# Altium PCB ESC.PcbDoc (part 1 of 3)
Units mm, origin at the board's own origin, x right, y up, seen from the top; angles counter-clockwise.
Board outline 85 x 45 mm, 4 copper layers (L1-SIGNAL/PWR, L2-PWR, L3-GND, L4-SIGNAL/PWR), stack 1.571 mm thick; 139 components, 88 nets, 499 pads, 911 vias.
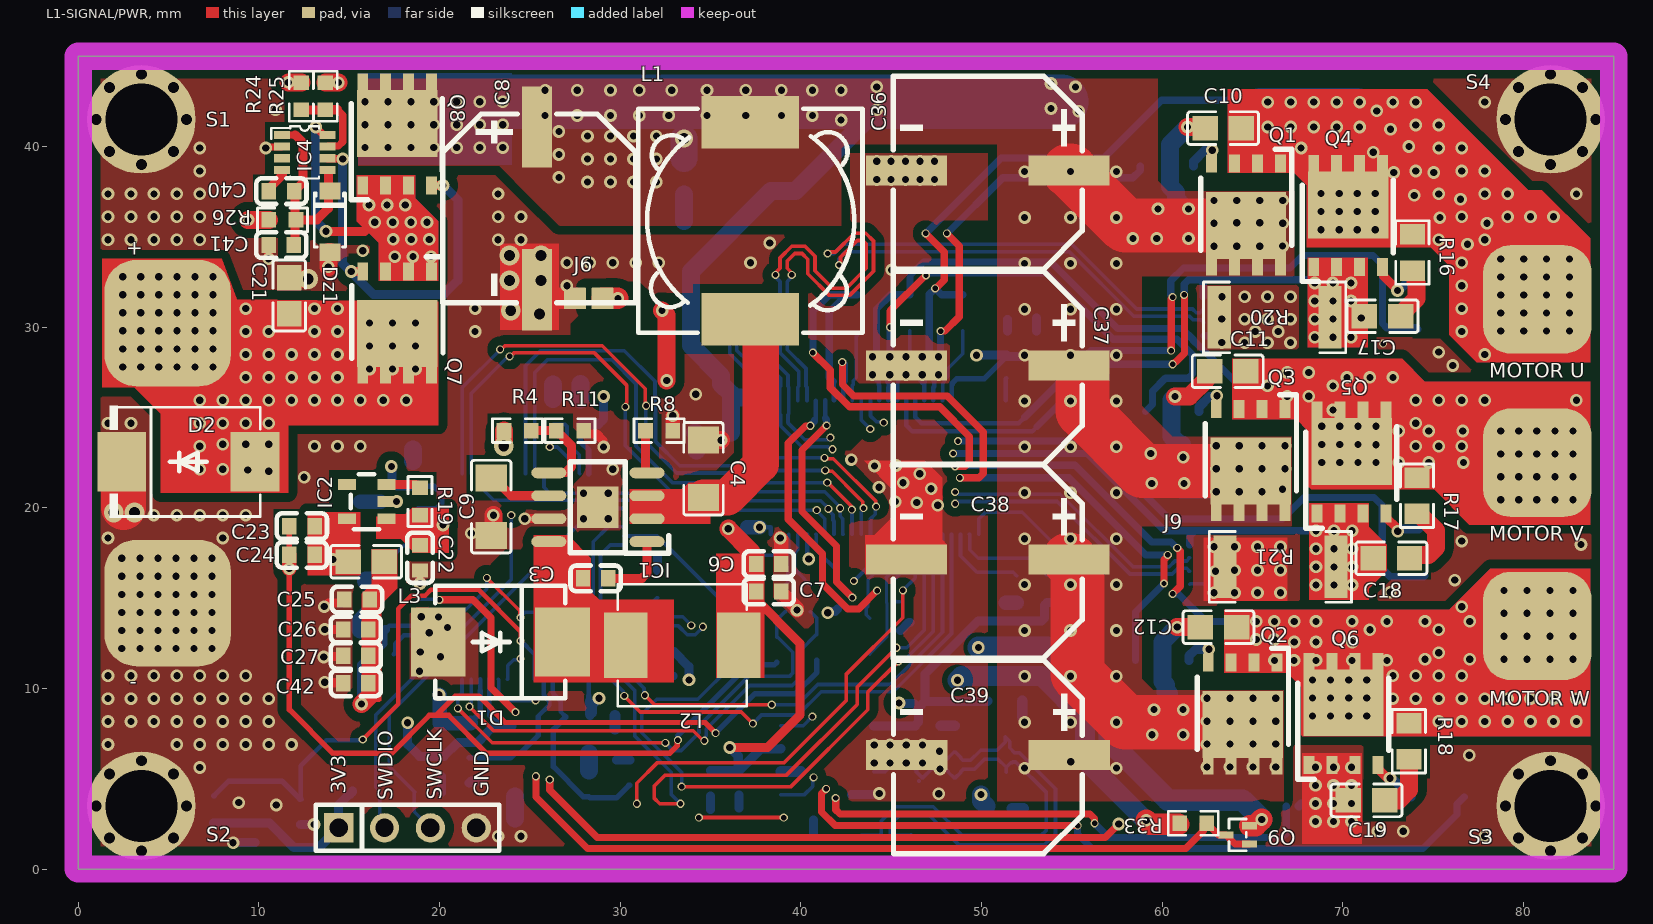
[diagram p0: L1-SIGNAL/PWR view]
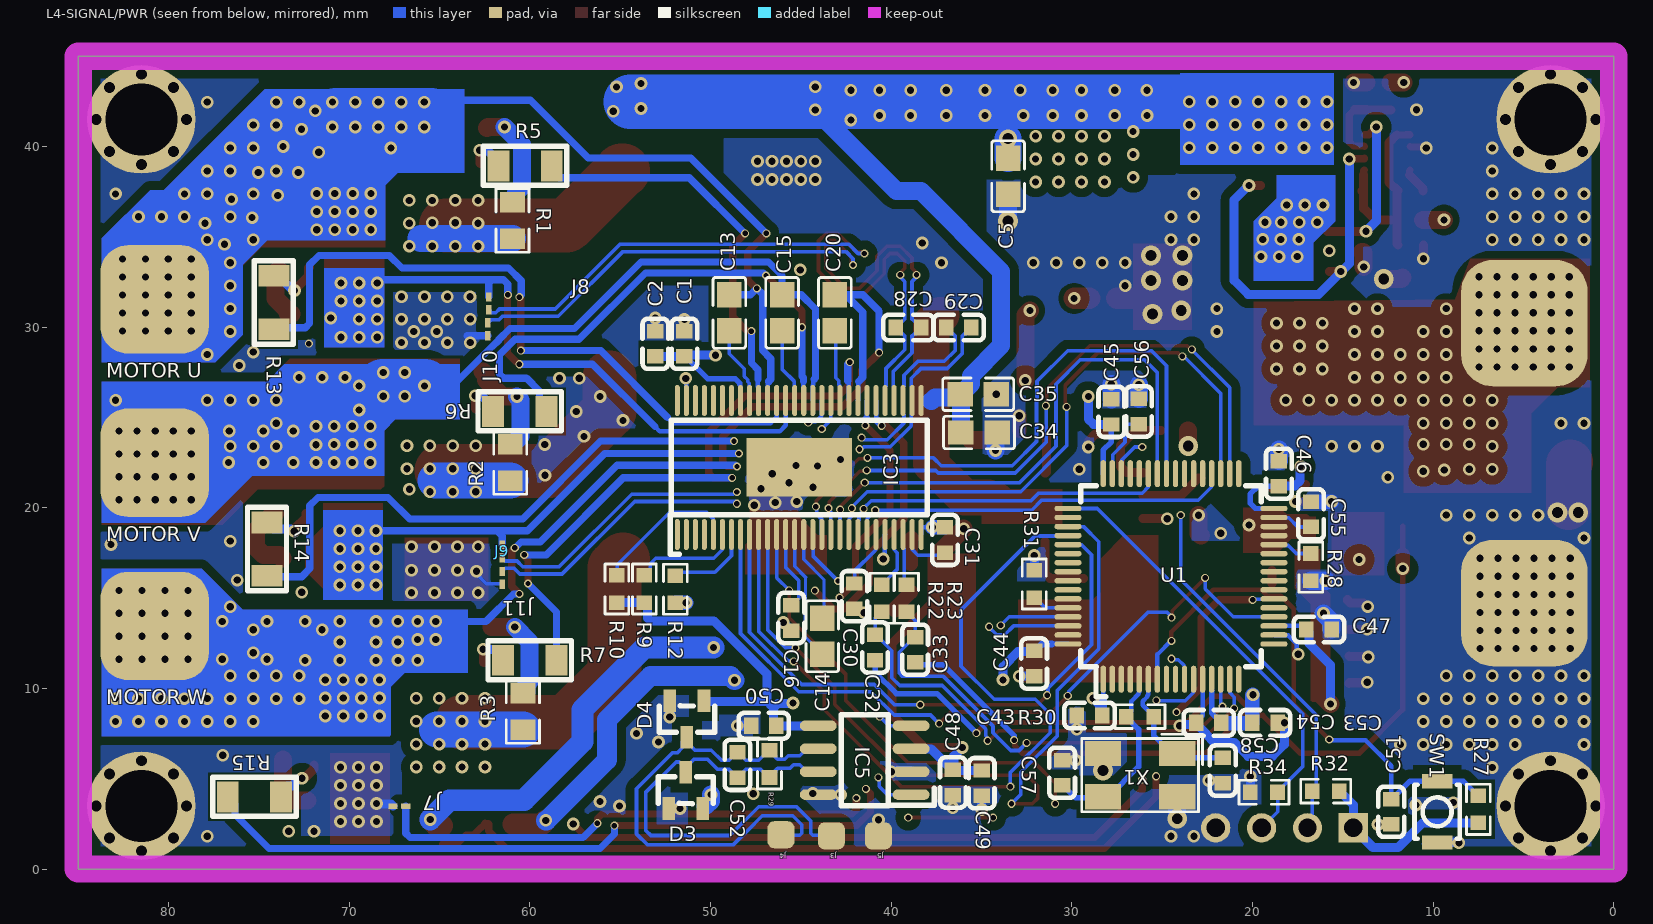
[diagram p1: L4-SIGNAL/PWR view, seen from below]
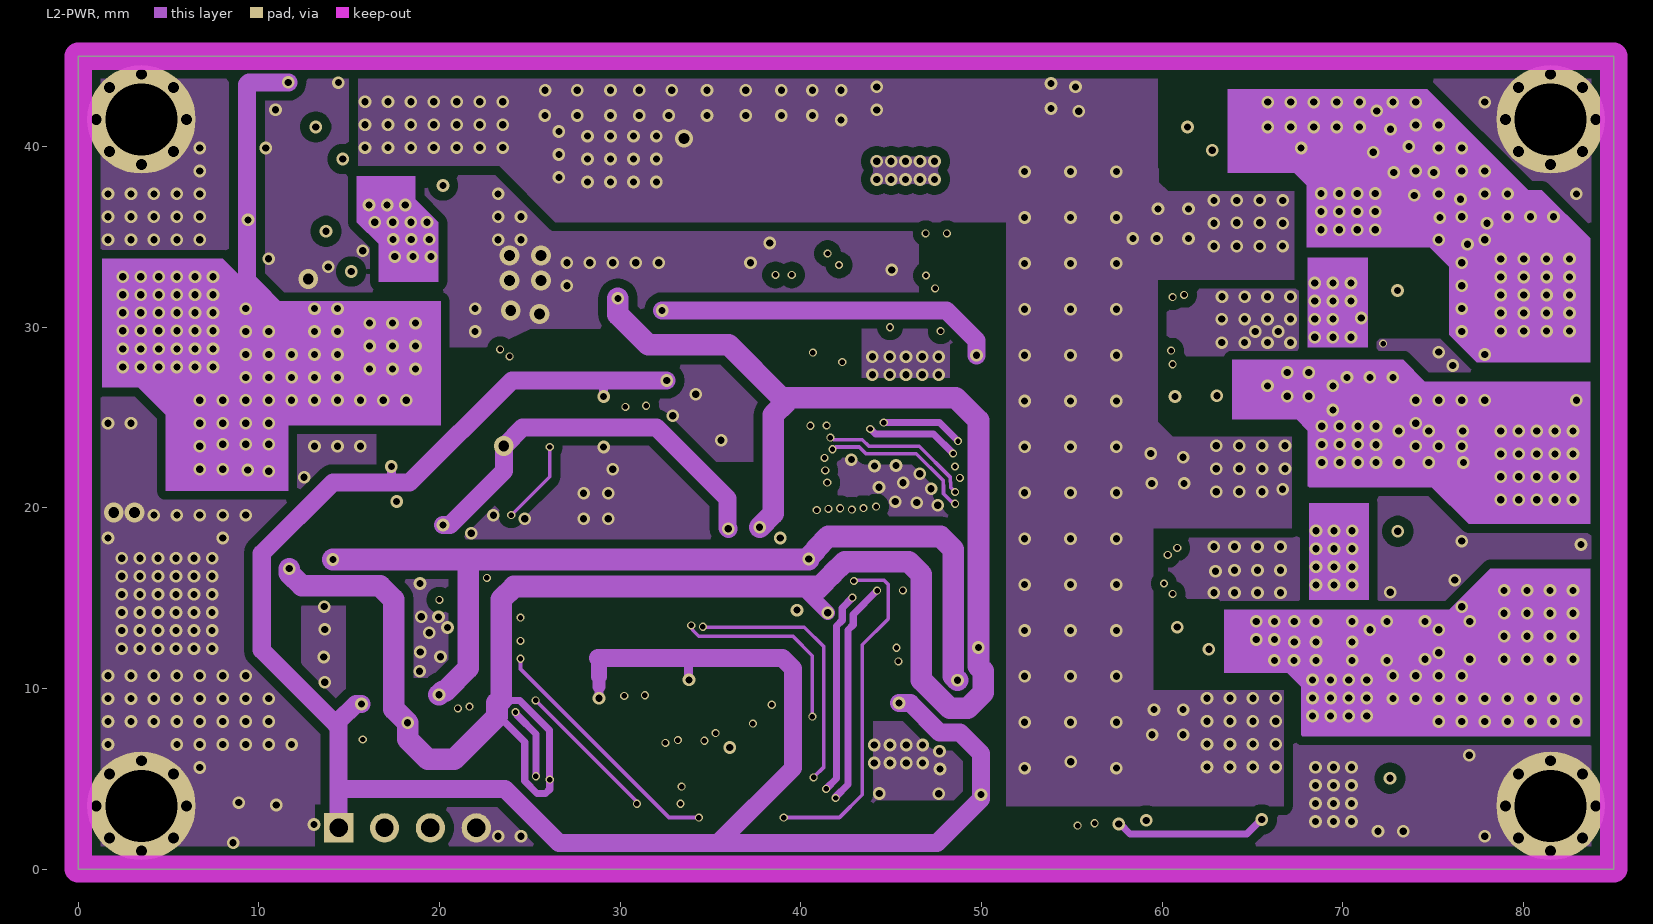
[diagram p2: L2-PWR]
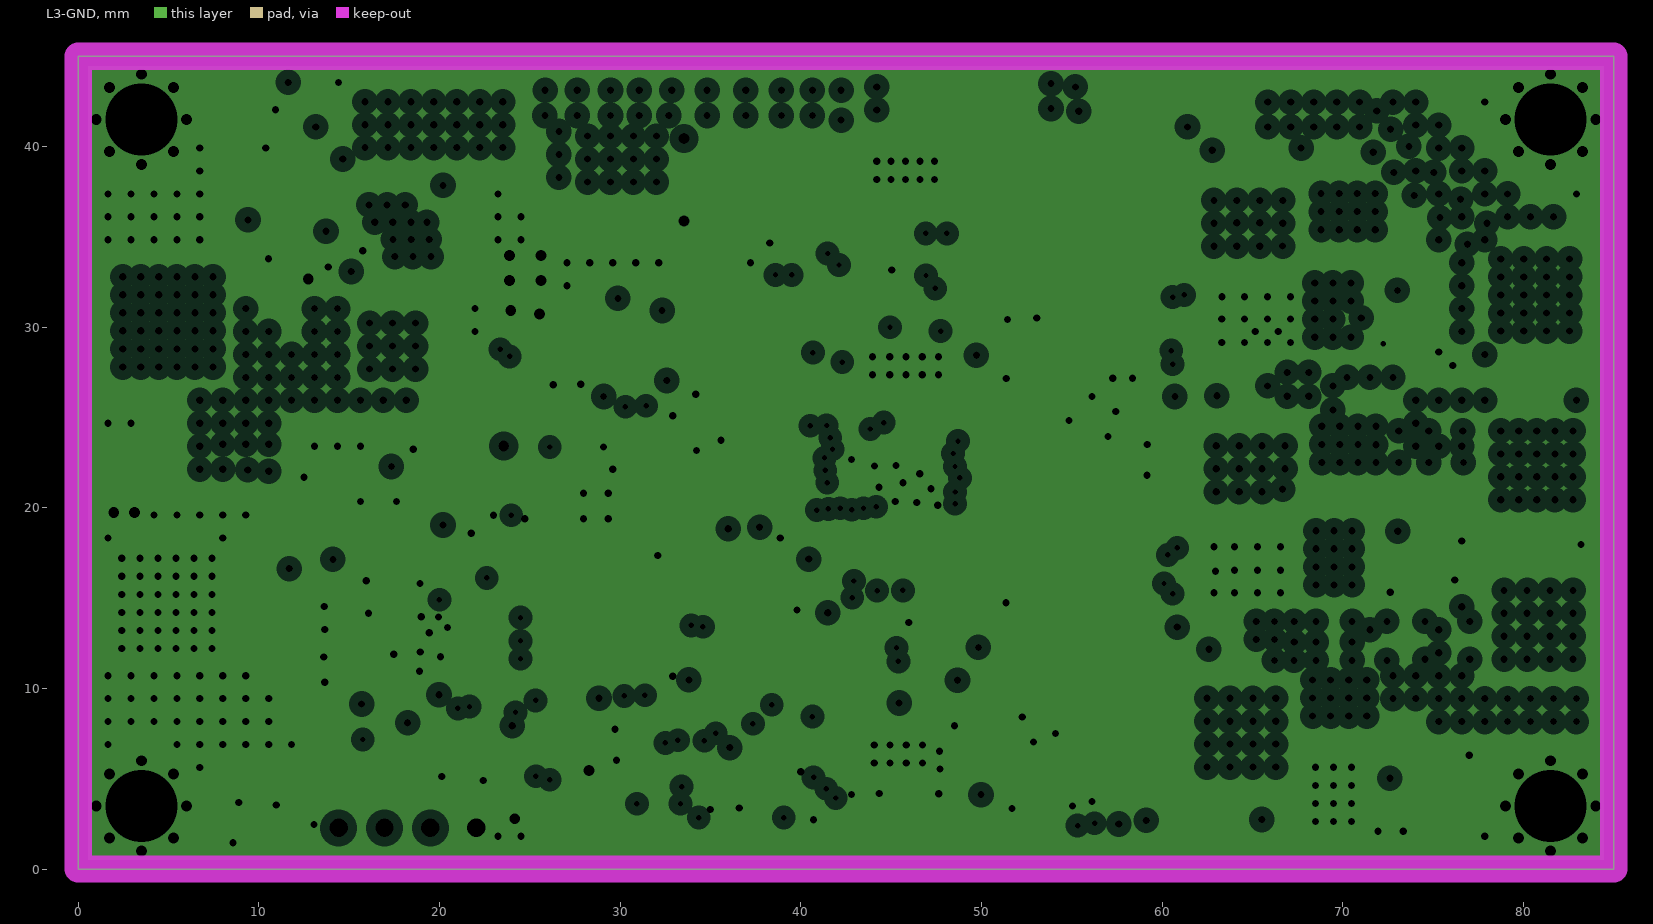
[diagram p3: L3-GND, clearances drawn from the general rule]
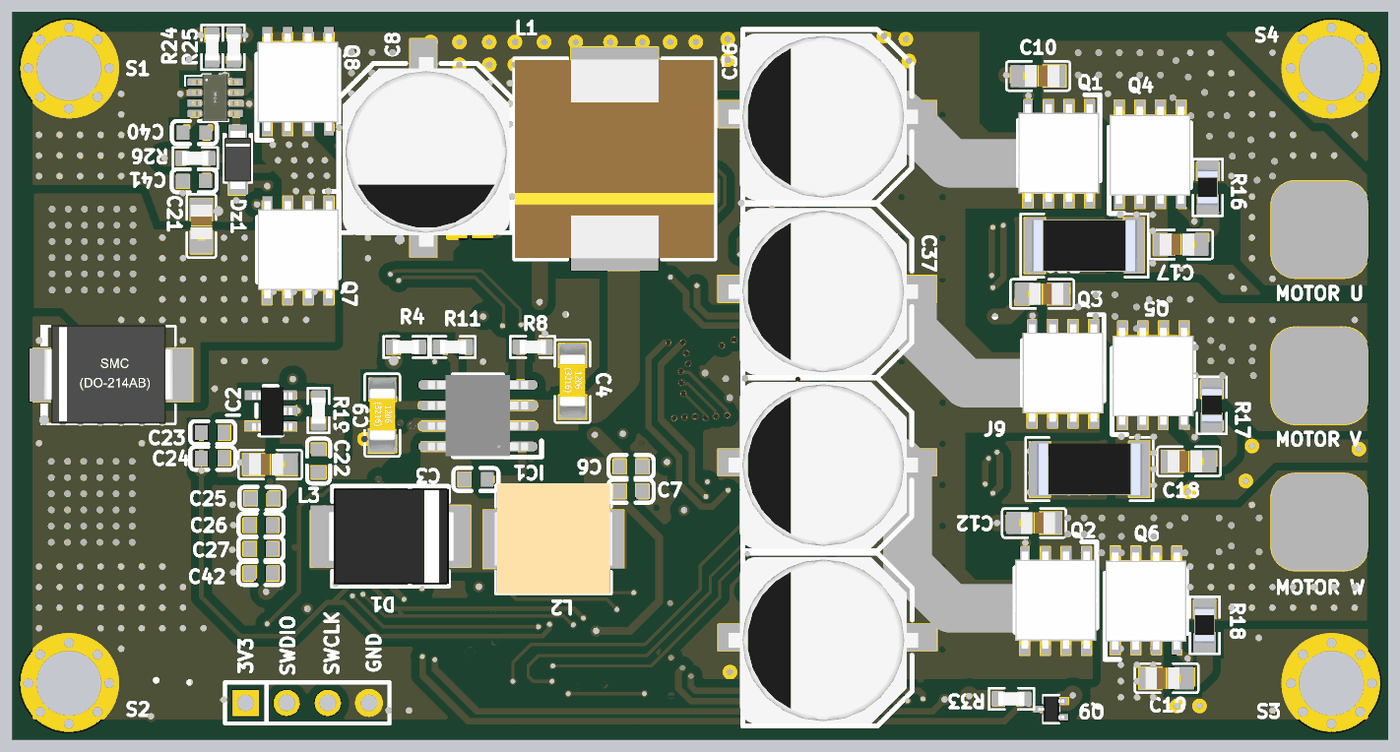
[diagram p6: 3D render of the assembled board from above, using the file's embedded part models]
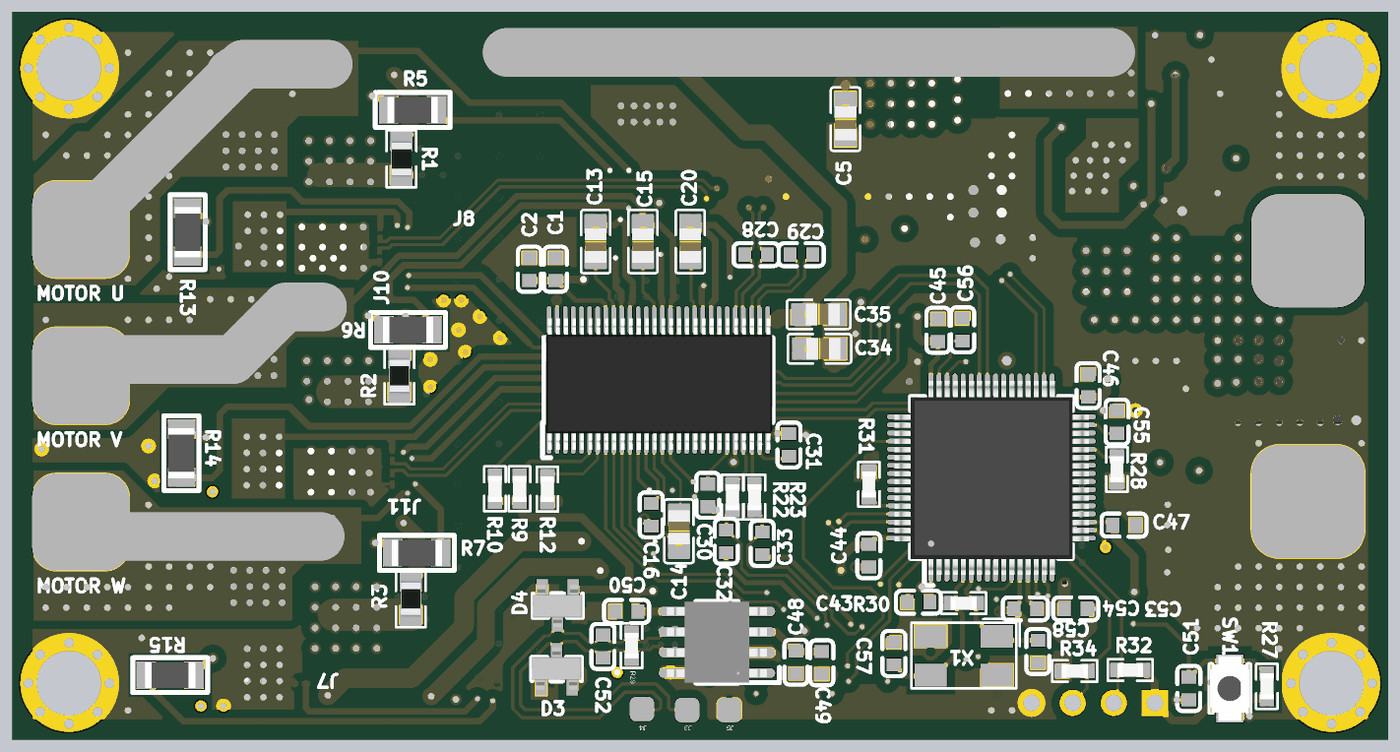
[diagram p7: 3D render of the assembled board from below, using the file's embedded part models]

## Layer stack, top to bottom
Top Solder: solder mask 0.0102, Solder Resist, Dk 3.5
L1-SIGNAL/PWR: signal copper 0.035
Dielectric 2: prepreg 0.107, 3313, Dk 4.5
Dielectric 4: prepreg 0.0935, 2116, Dk 4.1
L2-PWR: signal copper 0.07
Dielectric 1: core 0.96, Core-042, Dk 4.6
L3-GND: plane copper 0.07, net GND
Dielectric 3: prepreg 0.107, 3313, Dk 4.5
Dielectric 5: prepreg 0.0935, 2116, Dk 4.1
L4-SIGNAL/PWR: signal copper 0.035
Bottom Solder: solder mask 0.0102, Solder Resist, Dk 3.5

## Board outline
0,0 85,0 85,45 0,45

## Design rules (kind name [scope] priority, off if disabled: settings)
Clearance "Stitching POWER_IN" [IsStitchingVia and InNet('POWER_IN') vs (IsVia and (Not IsStitchingVia)) Or IsPad] p1: gap=0.127 ignorepadtopadclearanceinfootprint=FALSE
Clearance [All] p2: gap=0.2 ignorepadtopadclearanceinfootprint=TRUE except(0.5: Arc-Fill Arc-Poly Arc-Region Track-Fill Track-Poly Track-Region SMDPad-Fill SMDPad-Poly SMDPad-Region THPad-Fill THPad-Poly THPad-Region Via-Fill Via-Poly Via-Region Fill-Fill Fill-Poly Fill-Region Poly-Poly Poly-Region Region-Region)
ComponentClearance Ignore_Top_Bottom_Collision [OnTop vs OnBottom] p1: gap=0.254 collisioncheckmode=3 verticalgap=-2 showdistances=FALSE
ComponentClearance [All] p2: gap=0.254 collisioncheckmode=3 verticalgap=0.254 showdistances=FALSE
DiffPairsRouting DiffPair_S2DiffPairsRouting [InDifferentialPair ('S2')] p1: maxlimit=0.4 minlimit=0.17 mostfreqgap=0.2 toplayer_minwidth=0.17 toplayer_maxwidth=0.2 toplayer_prefwidth=0.2 midlayer1_minwidth=0.17 midlayer1_maxwidth=0.2 midlayer1_prefwidth=0.2 bottomlayer_minwidth=0.17 bottomlayer_maxwidth=0.2 bottomlayer_prefwidth=0.2 maxuncoupledlength=12.7
DiffPairsRouting DiffPair_S1DiffPairsRouting [InDifferentialPair ('S1')] p2: maxlimit=0.4 minlimit=0.17 mostfreqgap=0.2 toplayer_minwidth=0.17 toplayer_maxwidth=0.2 toplayer_prefwidth=0.2 midlayer1_minwidth=0.17 midlayer1_maxwidth=0.2 midlayer1_prefwidth=0.2 bottomlayer_minwidth=0.17 bottomlayer_maxwidth=0.2 bottomlayer_prefwidth=0.2 maxuncoupledlength=12.7
DiffPairsRouting DiffPairsRouting_1 [InDifferentialPair ('S1')] p3: maxlimit=0.254 minlimit=0.254 mostfreqgap=0.254 toplayer_minwidth=0.381 toplayer_maxwidth=0.381 toplayer_prefwidth=0.381 midlayer1_minwidth=0.381 midlayer1_maxwidth=0.381 midlayer1_prefwidth=0.381 bottomlayer_minwidth=0.381 bottomlayer_maxwidth=0.381 bottomlayer_prefwidth=0.381 maxuncoupledlength=12.7
DiffPairsRouting DiffPair_DIFFDiffPairsRouting [InDifferentialPair ('CAN')] p4: maxlimit=0.4 minlimit=0.3 mostfreqgap=0.3 toplayer_minwidth=0.2 toplayer_maxwidth=0.4 toplayer_prefwidth=0.2 midlayer1_minwidth=0.2 midlayer1_maxwidth=0.4 midlayer1_prefwidth=0.2 bottomlayer_minwidth=0.2 bottomlayer_maxwidth=0.4 bottomlayer_prefwidth=0.2 maxuncoupledlength=12.7
DiffPairsRouting [All] p5: maxlimit=0.254 minlimit=0.254 mostfreqgap=0.254 toplayer_minwidth=0.381 toplayer_maxwidth=0.381 toplayer_prefwidth=0.381 midlayer1_minwidth=0.381 midlayer1_maxwidth=0.381 midlayer1_prefwidth=0.381 bottomlayer_minwidth=0.381 bottomlayer_maxwidth=0.381 bottomlayer_prefwidth=0.381 maxuncoupledlength=12.7
HoleSize [All] p1: absolutevalues=TRUE maxlimit=5 minlimit=0.025 maxpercent=80.000 minpercent=20.000
HoleToHoleClearance [All] p1: gap=0.2 allowstackedmicrovias=TRUE
MatchedLengths DiffPair_S2MatchedLengths [InDifferentialPair ('S2')] p1: tolerance=10 checknetsindiffpair=TRUE checkdiffpairvsdiffpair=FALSE checkxsignals=FALSE checkothers=FALSE
MatchedLengths DiffPair_S1MatchedLengths [InDifferentialPair ('S1')] p2: tolerance=10 checknetsindiffpair=TRUE checkdiffpairvsdiffpair=FALSE checkxsignals=FALSE checkothers=FALSE
MatchedLengths [InDifferentialPair ('S1')] p3: tolerance=25.4 checknetsindiffpair=FALSE checkdiffpairvsdiffpair=TRUE checkxsignals=TRUE checkothers=TRUE
MatchedLengths DiffPair_DIFFMatchedLengths [InDifferentialPair ('CAN')] p4: tolerance=5 checknetsindiffpair=TRUE checkdiffpairvsdiffpair=FALSE checkxsignals=FALSE checkothers=FALSE
MinimumSolderMaskSliver [All] p1: minsoldermaskwidth=0.1
PlaneClearance [All] p1: clearance=0.508
PlaneConnect [All] p1: pad.planeconnectstyle=Relief pad.reliefexpansion=1 pad.reliefentries=4 pad.reliefconductorwidth=1 pad.reliefairgap=1 via.planeconnectstyle=Direct via.reliefexpansion=1 via.reliefentries=4 via.reliefconductorwidth=1 via.reliefairgap=1
PolygonConnect [All] p1: connectstyle=Direct reliefconductorwidth=0.254 reliefentries=4 polygonreliefangle="90 Angle" airgapwidth=0.254
RoutingVias [All] p1: holewidth=0.4 width=0.7 viastyle="Through Hole" minholewidth=0.2 minwidth=0.4 maxholewidth=0.7 maxwidth=1.1
SilkToSilkClearance [All] p1: silktosilkclearance=0
SilkToSolderMaskClearance [IsPad] p1: minsilkscreentomaskgap=0.1 clearancetoexposedcopper=TRUE
SolderMaskExpansion [All] p1: expansion=0.102 istentingtop=FALSE
SupplyNets "Schematic Supply Nets" [InNet('GND')] p1: voltage=0.000
SupplyNets "Schematic Supply Nets_8" [InNet('AGND')] p2: voltage=0.000
SupplyNets "Schematic Supply Nets_7" [InNet('POWER_LOAD')] p3: voltage=0.000
SupplyNets "Schematic Supply Nets_6" [InNet('V_5V')] p4: voltage=0.000
SupplyNets "Schematic Supply Nets_5" [InNet('VDD_SPI')] p5: voltage=0.000
SupplyNets "Schematic Supply Nets_4" [InNet('POWER_BUCK')] p6: voltage=0.000
SupplyNets "Schematic Supply Nets_3" [InNet('POWER_IN')] p7: voltage=0.000
SupplyNets "Schematic Supply Nets_1" [InNet('A3V3')] p8: voltage=0.000
UnRoutedNet [All] p1: checkbadconnections=TRUE
Width Width_power [InNetClass('POWER')] p1: maxlimit=14 minlimit=0.2 preferedwidth=5
Width Width_signal [All] p2: maxlimit=1.5 minlimit=0.17 preferedwidth=0.3 minimp=50.000000 maximp=50.000000 favimp=50.000000
20 further rules are at their usual default settings.

## Classes and differential pairs
net class POWER: A3V3 AGND AH AL BH CH CL GH_A GH_B GH_C GL_A GL_B GL_C GND POWER_BUCK POWER_IN POWER_LOAD SH_A SH_B SH_C SL_A SL_B SL_C V_5V VDD_SPI
differential pair class DIFF: CAN S1 S2
net class TIME1: AH AL BH BL CH CL EN_GATE
net class SPI3: GND NetIC3_7 nSCS SCLK SDI SDO
net class CSAI: S1_N S1_P S2_N S2_P
component class ESC: C1 C2 C3 C4 C5 C6 C7 C8 C9 C10 C11 C12 C13 C14 C15 C16 C17 C18 C19 C20 C21 C22 C23 C24 C25 C26 C27 C28 C29 C30 C31 C32 C33 C34 C35 C36 C37 C38 C39 C40 C41 C42 C43 C44 C45 C46 C47 C48 C49 C50 C51 C52 C53 C54 C55 C56 C57 C58 D1 D2 D3 D4 Dz1 IC1 IC2 IC3 IC4 IC5 J3 J4 J5 J6 J7 J8 J9 J10 J11 L1 L2 L3 Q1 Q2 Q3 Q4 Q5 Q6 Q7 Q8 Q9 R1 R2 R3 R4 R5 R6 R7 R8 R9 R10 R11 R12 R13 R14 R15 R16 R17 R18 R19 R20 R21 R22 R23 R24 R25 R26 R27 R28 R29 R30 R31 R32 R33 R34 S1 S2 S3 S4 SW1 U1 X1
differential pair S2: +S2_P -S2_N
differential pair S1: +S1_P -S1_N
differential pair CAN: +CAN_P -CAN_N

## Components (designator, comment, footprint, x,y, rotation, side; value= is the part's Value field where it differs from the comment)
3V3 "4PIN" HDR-TH_4P-HX-PH254-01-04-Z-L11.5 18.224,2.286 r0 top (schematic designator CN1)
+ "PAD" PAD#1 -21.59,37.846 r0 top (schematic designator J1)
- "PAD" PAD#2 -32.766,20.32 r0 top (schematic designator J2)
C1 "100nF" C0603 51.446,29.083 r270 bottom
C2 "10uF" C0603 53.054,29.083 r270 bottom
C3 "100nF" C0603 28.641,16.097 r0 top
C4 "10uF" C1206 34.608,22.162 r90 top
C5 "100nF" C0805#1 33.528,38.354 r90 bottom
C6 "47uF" C0603 38.227,16.891 r180 top
C7 "47uF" C0603 38.227,15.367 r180 top
C8 "100uF" CAP-SMD_BD10.0-L10.3-W10.3-FD 25.4,36.576 r270 top
C9 "16nF" C1206 22.86,20.066 r90 top
C10 "10nF" C0805#2 63.373,41.021 r180 top
C11 "10nF" C0805#2 63.627,27.559 r180 top
C12 "10nF" C0805#2 63.119,13.399 r180 top
C13 "100nF" C0805#1 48.959,30.794 r90 bottom
C14 "220nF" C0805#1 43.815,12.89 r270 bottom
C15 "100nF" C0805#1 46.038,30.794 r90 bottom
C16 "2.2uF" C0603 45.529,13.906 r90 bottom
C17 "10nF" C0805#2 72.2,30.607 r0 top
C18 "10nF" C0805#2 72.692,17.209 r0 top
C19 "10nF" C0805#2 71.31,3.81 r0 top
C20 "100nF" C0805#1 43.116,30.794 r90 bottom
C21 "100nF" C0805#2 11.684,31.75 r270 top
C22 "10uF" C0603 18.92,17.232 r90 top
C23 "10uF" C0603 12.383,18.986 r0 top
C24 "100nF" C0603 12.383,17.399 r0 top
C25 "10uF" C0603 15.43,14.922 r0 top
C26 "1uF" C0603 15.367,13.271 r0 top
C27 "100nF" C0603 15.367,11.811 r0 top
C28 "1nF" C0603 39.047,29.978 r0 bottom
C29 "1nF" C0603 36.26,29.978 r0 bottom
C30 "1uF" C0603 42.037,15.113 r90 bottom
C31 "1uF" C0603 37.02,18.224 r90 bottom
C32 "2.2uF" C0603 40.891,12.272 r90 bottom
C33 "2.2uF" C0603 38.669,12.145 r90 bottom
C34 "100nF" C0805#1 35.138,24.168 r0 bottom
C35 "4.7uF" C0805#1 35.183,26.289 r0 bottom
C36 "100uF" CAP-SMD_BD10.0-L10.3-W10.3-FD 50.347,38.672 r180 top
C37 "100uF" CAP-SMD_BD10.0-L10.3-W10.3-FD 50.347,27.877 r180 top
C38 "100uF" CAP-SMD_BD10.0-L10.3-W10.3-FD 50.347,17.145 r180 top
C39 "100uF" CAP-SMD_BD10.0-L10.3-W10.3-FD 50.357,6.322 r180 top
C40 "220nF" C0603 11.248,37.529 r0 top
C41 "1uF" C0603 11.239,34.544 r0 top
C42 "10uF" C0603 15.367,10.287 r0 top
C43 "1uF" C0603 29.019,8.509 r180 bottom
C44 "100nF" C0603 32.085,11.383 r90 bottom
C45 "100nF" C0603 27.812,25.312 r270 bottom
C46 "100nF" C0603 18.542,21.891 r270 bottom
C47 "100nF" C0603 16.319,13.271 r0 bottom
C48 "10uF" C0603 36.586,4.801 r90 bottom
C49 "100nF" C0603 34.989,4.763 r90 bottom
C50 "100nF" C0603 47.053,7.938 r180 bottom
C51 "100nF" C0603 12.319,3.175 r270 bottom
C52 "100pF" C0603 48.511,5.771 r270 bottom
C53 "1uF" C0603 19.304,8.099 r0 bottom
C54 "100nF" C0603 22.417,8.099 r180 bottom
C55 "2.2uF" C0603 16.757,19.643 r270 bottom
C56 "2.2uF" C0603 26.289,25.336 r270 bottom
C57 "18pF" C0603 30.535,5.334 r270 bottom
C58 "18pF" C0603 21.645,5.461 r270 bottom
D1 "DIODE SCHOTTKY 100V DO-214AB" SMC_L7.1-W6.2-LS8.1-RD 23.368,12.573 r180 top
D2 "93.6V 1.5kW@10/1000us Unidirectional 58V SMC TVS Diodes RoHS" SMC_L6.9-W5.9-LS7.9-RD 6.096,22.543 r0 top
D3 "DIODE ARR SCHOTTKY 30V SOT-23" SOT-23-3_L2.9-W1.3-P1.90-LS2.4-BR 51.37,4.36 r180 bottom
D4 "DIODE ARR SCHOTTKY 30V SOT-23" SOT-23-3_L2.9-W1.3-P1.90-LS2.4-BR 51.309,8.313 r0 bottom
Dz1 "DIODE ZENER 56V 500mW SOD-123W" SOD-123_L2.8-W1.8-LS3.7-RD 13.932,35.844 r270 top
IC1 "60V 3A Step-Down Converter" SOIC-8_L4.9-W3.9-P1.27-LS6.0-BL-EP2.3 28.768,20.034 r90 top
IC2 "500mA Low-Noise LDo Voltage Regulator" SOT-23-5_L2.9-W1.6-P0.95-LS2.8-BR 15.967,20.349 r90 top
IC3 "DRV8301 Three-Phase Gate Driver With Dual Current Shunt Amplifiers and Buck Regulator" HTSSOP-56_L14.0-W6.0-P0.50-LS8.1-BL-EP 45.089,22.236 r180 bottom
IC4 "TSOT-23-8 OR Controllers, Ideal Diodes RoHS" SOT-23-8_L2.9-W1.6-P0.65-LS2.8-BL 12.535,39.674 r270 top
IC5 "High-speed CAN transceiver" SOIC-8_L4.9-W3.9-P1.27-LS6.0-BL 41.465,6.032 r90 bottom
J3 "PAD" PAD#3 43.307,1.841 r180 bottom
J4 "PAD" PAD#3 46.101,1.905 r180 bottom
J5 "PAD" PAD#3 40.703,1.841 r180 bottom
J6 "2 way net tie junction" 2way_MP 28.258,31.594 r0 top net-tie
J7 "2 way net tie junction" 2way_LP 67.221,3.492 r0 bottom net-tie
J8 "2 way net tie junction" 2way_LP 62.275,31.317 r90 bottom net-tie
J9 "2 way net tie junction" 2way_LP 61.531,17.59 r90 bottom net-tie
J10 "2 way net tie junction" 2way_LP 62.323,29.887 r270 bottom net-tie
J11 "2 way net tie junction" 2way_LP 61.531,16.129 r270 bottom net-tie
L1 "47uH" IND-SMD_L12.3-W12.3 37.211,35.9 r270 top
L2 "8.2uH" IND-SMD_L7.0-W6.6_FXL0630 34.544,13.462 r180 top
L3 "220Ω" C0805#2 15.938,17.018 r0 top
"MOTOR U" "PAD" PAD#4 80.772,33.782 r90 bottom
"MOTOR U" "PAD" PAD#4 80.772,33.782 r90 top (schematic designator MOTOR_U1)
"MOTOR V" "PAD" PAD#4 80.772,24.744 r90 bottom
"MOTOR V" "PAD" PAD#5 80.772,22.5 r90 top (schematic designator MOTOR_V1)
"MOTOR W" "PAD" PAD#4 80.772,15.706 r90 bottom
"MOTOR W" "PAD" PAD#5 80.772,13.462 r90 top (schematic designator MOTOR_W1)
Q1 "MOSFET N-CH 80V 100A SOP-8-Advance" SOP-8_L5.0-W5.0-P1.27-LS6.0_TPH4R008NH-L1Q 64.643,36.258 r180 top
Q2 "MOSFET N-CH 80V 100A SOP-8-Advance" SOP-8_L5.0-W5.0-P1.27-LS6.0_TPH4R008NH-L1Q 64.453,8.636 r180 top
Q3 "MOSFET N-CH 80V 100A SOP-8-Advance" SOP-8_L5.0-W5.0-P1.27-LS6.0_TPH4R008NH-L1Q 64.897,22.669 r180 top
Q4 "MOSFET N-CH 80V 100A SOP-8-Advance" SOP-8_L5.0-W5.0-P1.27-LS6.0_TPH4R008NH-L1Q 70.294,36.131 r0 top
Q5 "MOSFET N-CH 80V 100A SOP-8-Advance" SOP-8_L5.0-W5.0-P1.27-LS6.0_TPH4R008NH-L1Q 70.485,22.479 r0 top
Q6 "MOSFET N-CH 80V 100A SOP-8-Advance" SOP-8_L5.0-W5.0-P1.27-LS6.0_TPH4R008NH-L1Q 70.04,8.572 r0 top
Q7 "MOSFET N-CH 80V 100A SOP-8-Advance" SOP-8_L5.0-W5.0-P1.27-LS6.0_TPH4R008NH-L1Q 17.653,30.29 r180 top
Q8 "MOSFET N-CH 80V 100A SOP-8-Advance" SOP-8_L5.0-W5.0-P1.27-LS6.0_TPH4R008NH-L1Q 17.653,40.646 r0 top
Q9 "TRANS NPN 40V 200mA SOT-416" SC-75-3_L1.6-W0.8-P1.00-LS1.6-BR 64.184,1.897 r90 top
R1 "10Ω" R0805 60.96,36.195 r270 bottom
R2 "10Ω" R0805 61.087,22.796 r270 bottom
R3 "10Ω" R0805 60.389,9.017 r270 bottom
R4 "100kΩ" R0603 24.32,24.272 r180 top
R5 "8.06Ω" R1206 60.262,38.925 r0 bottom
R6 "8.06Ω" R1206 60.561,25.336 r0 bottom
R7 "8.06Ω" R1206 60.008,11.557 r0 bottom
R8 "49.9kΩ" R0603 32.156,24.277 r180 top
R9 "10kΩ" R0603 53.658,15.509 r270 bottom
R10 "10kΩ" R0603 55.182,15.509 r90 bottom
R11 "17.8kΩ" R0603 27.224,24.272 r0 top
R12 "24.9KΩ" R0603 51.943,15.494 r90 bottom
R13 "8.06Ω" R1206 74.168,31.369 r90 bottom
R14 "8.06Ω" R1206 74.549,17.716 r90 bottom
R15 "8.06Ω" R1206 75.248,4 r180 bottom
R16 "10Ω" R0805 73.85,33.846 r90 top
R17 "10Ω" R0805 74.105,20.383 r90 top
R18 "10Ω" R0805 73.66,6.794 r90 top
R19 "10kΩ" R0603 18.92,20.349 r270 top
R20 "3.3mΩ" R2512 66.23,30.543 r0 top
R21 "3.3mΩ" R2512 66.548,16.732 r0 top
R22 "56Ω" R0603 40.513,14.995 r270 bottom
R23 "56Ω" R0603 39.15,14.995 r270 bottom
R24 "100kΩ" R0603 12.345,42.787 r90 top
R25 "2.67kΩ" R0603 13.678,42.787 r270 top
R26 "10kΩ" R0603 11.303,35.941 r180 top
R27 "10kΩ" R0603 7.493,3.311 r270 bottom
R28 "10kΩ" R0603 16.764,16.719 r270 bottom
R29 "120Ω" R0603 46.737,5.826 r270 bottom
R30 "1MΩ" R0603 26.226,8.445 r0 bottom
R31 "10kΩ" R0603 32.078,15.786 r270 bottom
R32 "10kΩ" R0603 15.938,4.318 r180 bottom
R33 "33kΩ" R0603 61.722,2.54 r180 top
R34 "10kΩ" R0603 19.367,4.255 r180 bottom
S1 "Screw" "Screw Hole 4mm" 3.5,41.5 r0 top
S2 "Screw" "Screw Hole 4mm" 3.5,3.5 r0 top
S3 "Screw" "Screw Hole 4mm" 81.5,3.5 r0 top
S4 "Screw" "Screw Hole 4mm" 81.5,41.5 r0 top
SW1 "B3U-1000P" KEY-SMD_B3U-1000PM 9.779,3.175 r270 bottom
U1 "ARM Cortex-M4 32b MCU+FPU, 210DMIPS, up to 1MB Flash/192+4KB RAM, USB OTG HS/FS, Ethernet, 17 TIMs, 3 ADCs, 15 comm. interfaces & camera" LQFP-64_L10.0-W10.0-P0.50-LS12.0-BL 24.511,16.192 r180 bottom
X1 "8MHz" OSC-SMD_4P-L5.0-W3.2-BL 26.217,5.207 r0 bottom
